# Altium PCB Lancelot.PcbDoc (part 7 of 14) (continued)
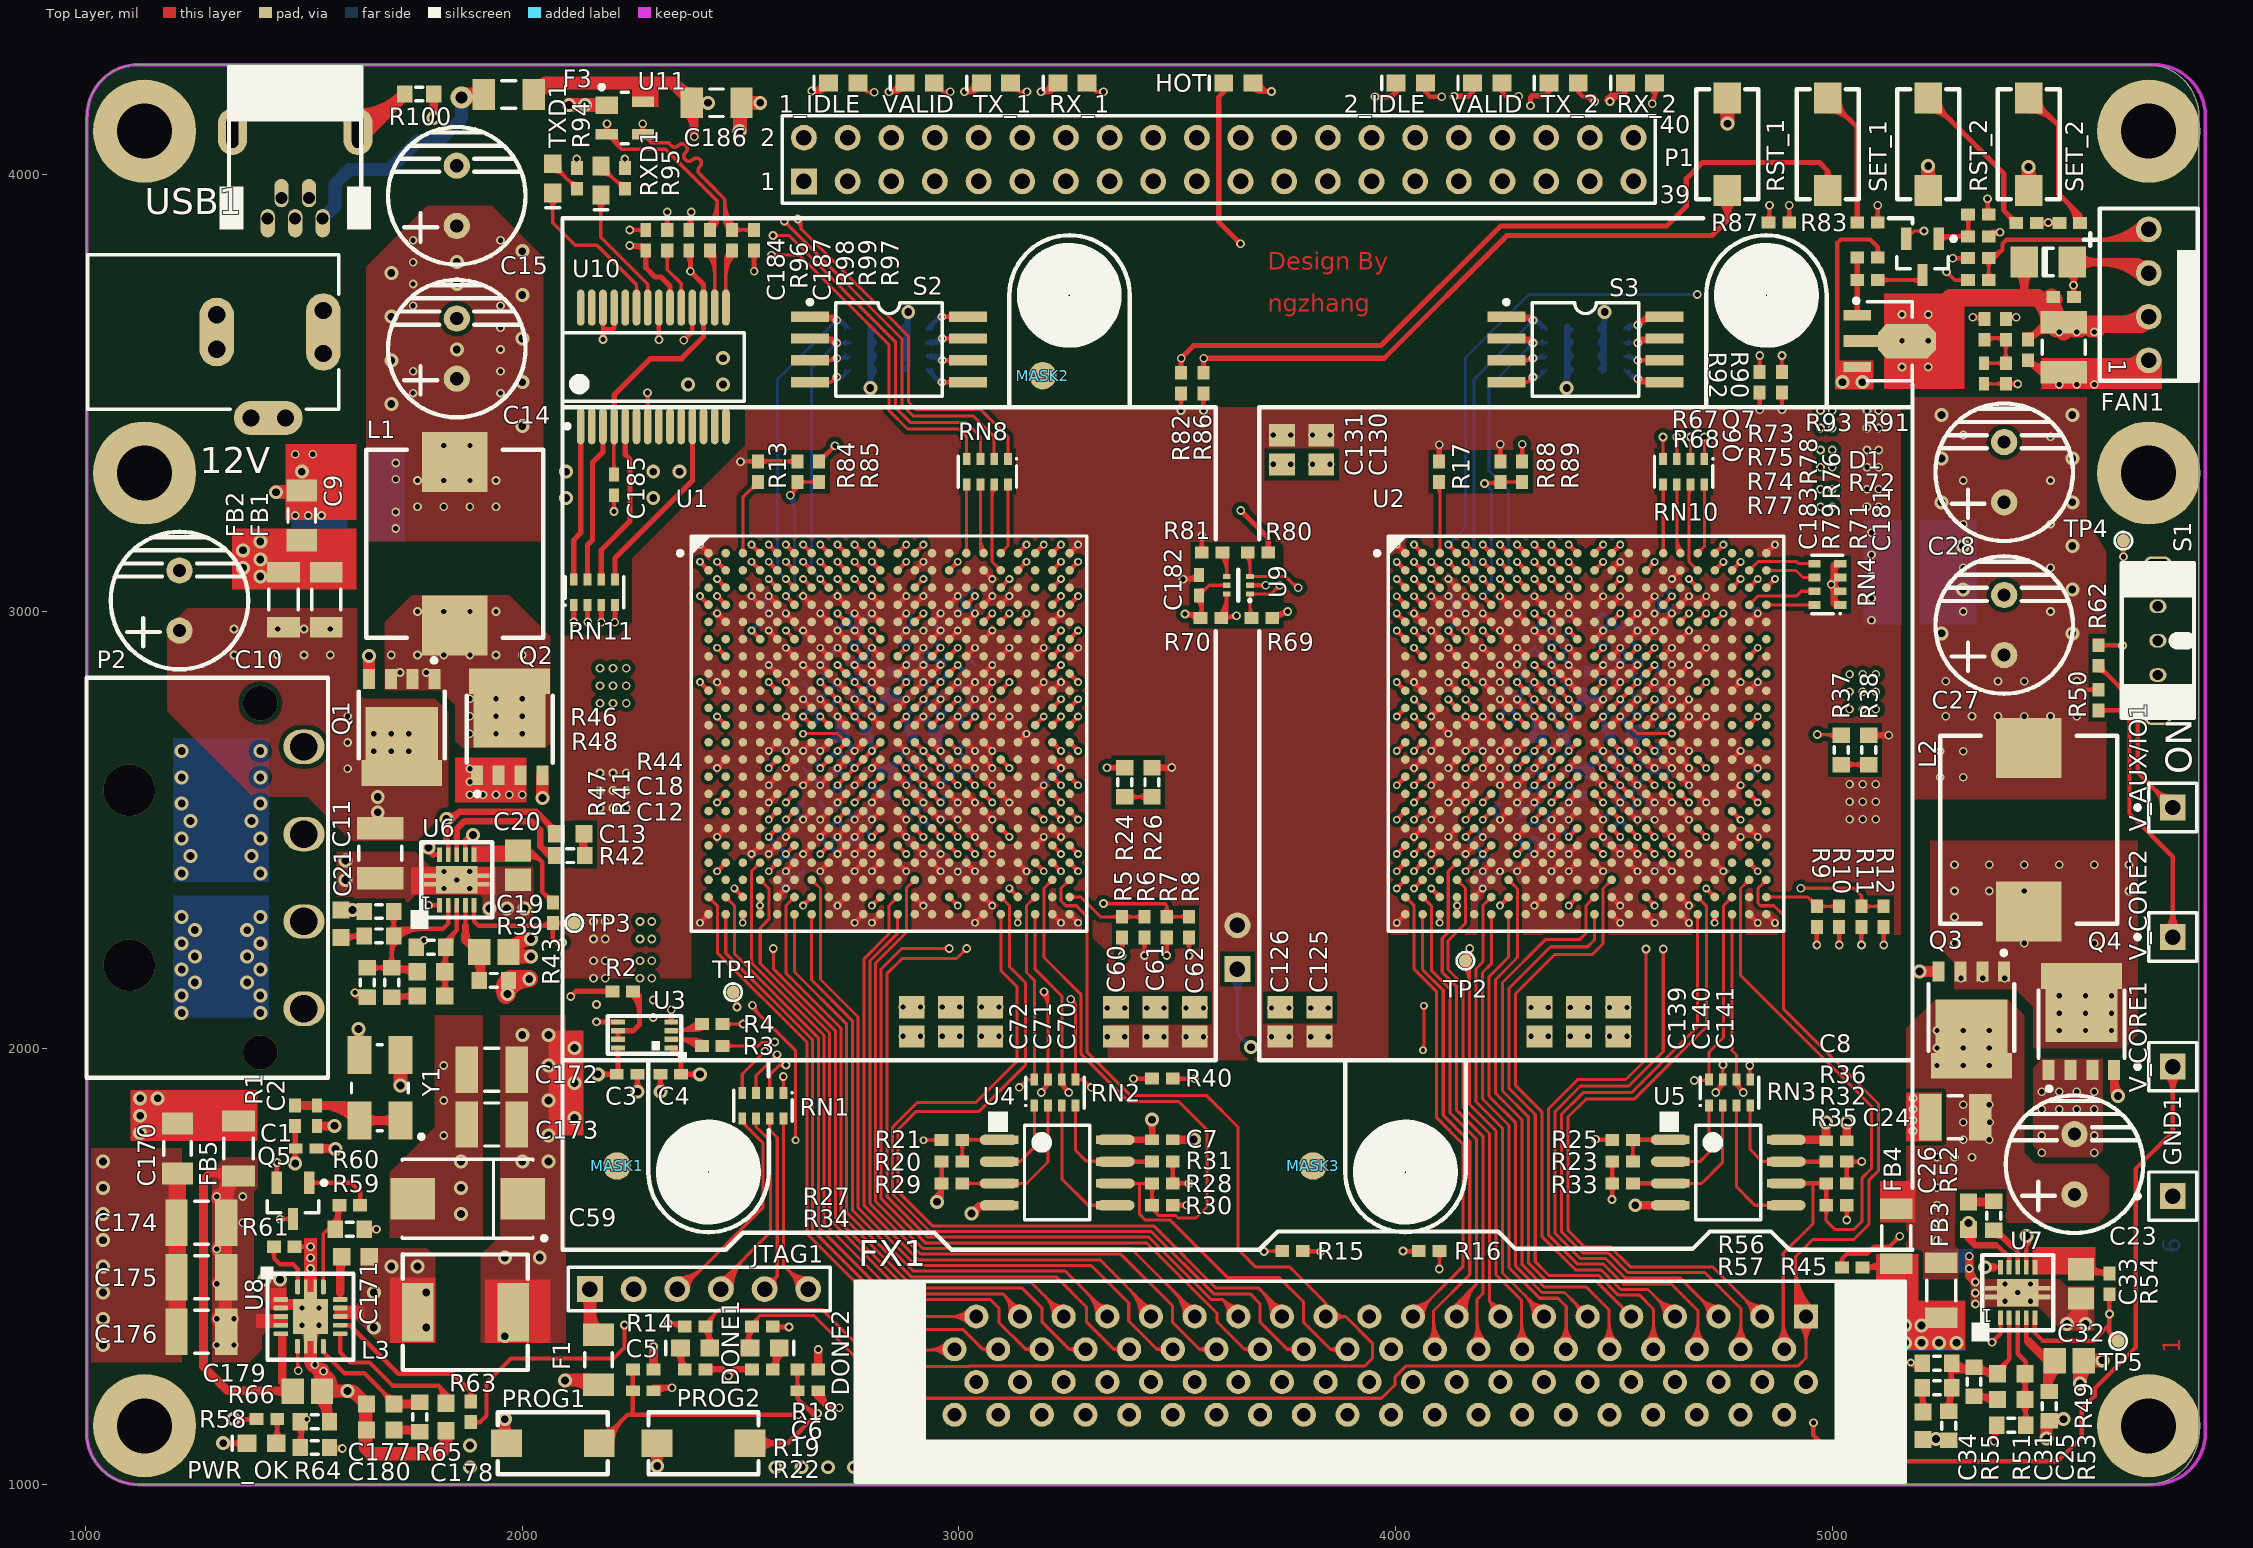
[diagram p0: Top Layer view]
## Nets (pads, with @x,y where several pads share a name; then routed paths per layer and width w, separated by ;. In a path a pad name is that pad's centre, name@x,y a point inside that pad or via, vN(x,y) a via of type N, cw(c..) or ccw(c..) an arc to the next point about the centre after c; other vN are vias at no path point) (continued)
v1@4514.73,2448.34 ; v1@4510.73,2562.45 ccw(c4501.08,2562.45) 4507.9,2569.28 ccw(c4514.73,2576.1) v1@4514.73,2566.45 ; v1@4510.73,2641.19 ccw(c4501.08,2641.19) 4507.9,2648.02 ccw(c4514.73,2654.84) v1@4514.73,2645.19 ; v1@4510.73,2759.3 cw(c4501.08,2759.3) 4507.9,2752.47 cw(c4514.73,2745.64) v1@4514.73,2755.3 ; v1@4510.73,2838.04 cw(c4501.08,2838.04) 4507.9,2831.21 cw(c4514.73,2824.38) v1@4514.73,2834.04 ; v1@4510.73,2877.41 cw(c4501.08,2877.41) 4507.9,2870.58 cw(c4514.73,2863.75) v1@4514.73,2873.41 ; v1@4510.73,2916.78 cw(c4501.08,2916.78) 4507.9,2909.95 cw(c4514.73,2903.12) v1@4514.73,2912.78 ; v1@4510.73,3034.89 cw(c4501.08,3034.89) 4507.9,3028.06 cw(c4514.73,3021.23) v1@4514.73,3030.89 ; v1@4510.73,3113.63 cw(c4501.08,3113.63) 4507.9,3106.8 cw(c4514.73,3099.97) v1@4514.73,3109.63 ; U2.W14@4534.42,2419.81 cw(c4534.42,2408.12) 4542.68,2416.39 cw(c4550.95,2424.65) U2.W14@4539.26,2424.65 ; U2.W14@4534.42,2424.65 v1(4554.1,2404.97) ; U2.V14@4534.42,2459.18 cw(c4534.42,2447.49) 4542.68,2455.76 cw(c4550.95,2464.02) U2.V14@4539.26,2464.02 ; U2.V14@4534.42,2464.02 v1(4554.1,2444.34) ; U2.T14@4534.42,2537.92 cw(c4534.42,2526.23) 4542.68,2534.5 cw(c4550.95,2542.76) U2.T14@4539.26,2542.76 ; U2.T14@4534.42,2542.76 v1(4554.1,2523.08) ; U2.P14@4534.42,2616.66 cw(c4534.42,2604.97) 4542.68,2613.24 cw(c4550.95,2621.5) U2.P14@4539.26,2621.5 ; U2.P14@4534.42,2621.5 v1(4554.1,2601.82) ; U2.M14@4534.42,2695.4 cw(c4534.42,2683.71) 4542.68,2691.98 cw(c4550.95,2700.24) U2.M14@4539.26,2700.24 ; U2.M14@4534.42,2700.24 v1(4554.1,2680.56) ; U2.K14@4534.42,2778.98 v1(4554.1,2798.67) ; U2.K14@4534.42,2783.83 ccw(c4534.42,2795.52) 4542.68,2787.25 ccw(c4550.95,2778.98) U2.K14@4539.26,2778.98 ; U2.H14@4534.42,2857.72 v1(4554.1,2877.41) ; U2.H14@4534.42,2862.57 ccw(c4534.42,2874.26) 4542.68,2865.99 ccw(c4550.95,2857.72) U2.H14@4539.26,2857.72 ; U2.F14@4534.42,2936.46 v1(4554.1,2956.15) ; U2.F14@4534.42,2941.31 ccw(c4534.42,2953) 4542.68,2944.73 ccw(c4550.95,2936.46) U2.F14@4539.26,2936.46 ; U2.E14@4534.42,2975.83 v1(4554.1,2995.52) ; U2.E14@4534.42,2980.68 ccw(c4534.42,2992.37) 4542.68,2984.1 ccw(c4550.95,2975.83) U2.E14@4539.26,2975.83 ; v1@4550.1,2404.97 ccw(c4540.45,2404.97) 4547.27,2411.8 ccw(c4554.1,2418.62) v1@4554.1,2408.97 ; v1@4550.1,2444.34 ccw(c4540.45,2444.34) 4547.27,2451.17 ccw(c4554.1,2457.99) v1@4554.1,2448.34 ; v1@4550.1,2523.08 ccw(c4540.45,2523.08) 4547.27,2529.91 ccw(c4554.1,2536.73) v1@4554.1,2527.08 ; v1@4550.1,2601.82 ccw(c4540.45,2601.82) 4547.27,2608.65 ccw(c4554.1,2615.47) v1@4554.1,2605.82 ; v1@4550.1,2680.56 ccw(c4540.45,2680.56) 4547.27,2687.39 ccw(c4554.1,2694.22) v1@4554.1,2684.56 ; v1@4550.1,2798.67 cw(c4540.45,2798.67) 4547.27,2791.84 cw(c4554.1,2785.01) v1@4554.1,2794.67 ; v1@4550.1,2877.41 cw(c4540.45,2877.41) 4547.27,2870.58 cw(c4554.1,2863.75) v1@4554.1,2873.41 ; v1@4550.1,2956.15 cw(c4540.45,2956.15) 4547.27,2949.32 cw(c4554.1,2942.49) v1@4554.1,2952.15 ; v1@4550.1,2995.52 cw(c4540.45,2995.52) 4547.27,2988.69 cw(c4554.1,2981.86) v1@4554.1,2991.52 ; U2.AB15@4573.79,2301.7 cw(c4573.79,2290.01) 4582.05,2298.28 cw(c4590.32,2306.54) U2.AB15@4578.63,2306.54 ; U2.AB15@4573.79,2306.54 v1(4593.47,2286.86) ; U2.R15@4573.79,2577.29 cw(c4573.79,2565.6) 4582.05,2573.87 cw(c4590.32,2582.13) U2.R15@4578.63,2582.13 ; U2.R15@4573.79,2582.13 v1(4593.47,2562.45) ; U2.N15@4573.79,2656.03 cw(c4573.79,2644.34) 4582.05,2652.61 cw(c4590.32,2660.87) U2.N15@4578.63,2660.87 ; U2.N15@4573.79,2660.87 v1(4593.47,2641.19) ; U2.L15@4573.79,2739.61 v1(4593.47,2759.3) ; U2.L15@4573.79,2744.46 ccw(c4573.79,2756.15) 4582.05,2747.88 ccw(c4590.32,2739.61) U2.L15@4578.63,2739.61 ; U2.J15@4573.79,2818.35 v1(4593.47,2838.04) ; U2.J15@4573.79,2823.2 ccw(c4573.79,2834.89) 4582.05,2826.62 ccw(c4590.32,2818.35) U2.J15@4578.63,2818.35 ; U2.F15@4573.79,2936.46 v1(4593.47,2956.15) ; U2.F15@4573.79,2941.31 ccw(c4573.79,2953) 4582.05,2944.73 ccw(c4590.32,2936.46) U2.F15@4578.63,2936.46 ; U2.D15@4573.79,3015.2 v1(4593.47,3034.89) ; U2.D15@4573.79,3020.05 ccw(c4573.79,3031.74) 4582.05,3023.47 ccw(c4590.32,3015.2) U2.D15@4578.63,3015.2 ; v1@4589.47,2286.86 ccw(c4579.82,2286.86) 4586.64,2293.69 ccw(c4593.47,2300.51) v1@4593.47,2290.86 ; v1@4589.47,2562.45 ccw(c4579.82,2562.45) 4586.64,2569.28 ccw(c4593.47,2576.1) v1@4593.47,2566.45 ; v1@4589.47,2641.19 ccw(c4579.82,2641.19) 4586.64,2648.02 ccw(c4593.47,2654.84) v1@4593.47,2645.19 ; v1@4589.47,2759.3 cw(c4579.82,2759.3) 4586.64,2752.47 cw(c4593.47,2745.64) v1@4593.47,2755.3 ; v1@4589.47,2838.04 cw(c4579.82,2838.04) 4586.64,2831.21 cw(c4593.47,2824.38) v1@4593.47,2834.04 ; v1@4589.47,2956.15 cw(c4579.82,2956.15) 4586.64,2949.32 cw(c4593.47,2942.49) v1@4593.47,2952.15 ; v1@4589.47,3034.89 cw(c4579.82,3034.89) 4586.64,3028.06 cw(c4593.47,3021.23) v1@4593.47,3030.89 ; U2.W16@4613.16,2419.81 cw(c4613.16,2408.12) 4621.42,2416.39 cw(c4629.69,2424.65) U2.W16@4618,2424.65 ; U2.W16@4613.16,2424.65 v1(4632.84,2404.97) ; U2.U16@4613.16,2498.55 cw(c4613.16,2486.86) 4621.42,2495.13 cw(c4629.69,2503.39) U2.U16@4618,2503.39 ; U2.U16@4613.16,2503.39 v1(4632.84,2483.71) ; U2.R16@4613.16,2577.29 cw(c4613.16,2565.6) 4621.42,2573.87 cw(c4629.69,2582.13) U2.R16@4618,2582.13 ; U2.R16@4613.16,2582.13 v1(4632.84,2562.45) ; U2.N16@4613.16,2656.03 cw(c4613.16,2644.34) 4621.42,2652.61 cw(c4629.69,2660.87) U2.N16@4618,2660.87 ; U2.N16@4613.16,2660.87 v1(4632.84,2641.19) ; U2.M16@4613.16,2695.4 cw(c4613.16,2682.27) 4622.45,2691.55 ; U2.K16@4613.16,2778.98 v1(4632.84,2798.67) ; U2.K16@4613.16,2783.83 ccw(c4613.16,2795.52) 4621.42,2787.25 ccw(c4629.69,2778.98) U2.K16@4618,2778.98 ; U2.J16@4613.16,2818.35 v1(4632.84,2838.04) ; U2.J16@4613.16,2823.2 ccw(c4613.16,2834.89) 4621.42,2826.62 ccw(c4629.69,2818.35) U2.J16@4618,2818.35 ; U2.G16@4613.16,2897.09 v1(4632.84,2916.78) ; U2.G16@4613.16,2901.94 ccw(c4613.16,2913.63) 4621.42,2905.36 ccw(c4629.69,2897.09) U2.G16@4618,2897.09 ; U2.E16@4613.16,2975.83 v1(4632.84,2995.52) ; U2.E16@4613.16,2980.68 ccw(c4613.16,2992.37) 4621.42,2984.1 ccw(c4629.69,2975.83) U2.E16@4618,2975.83 ; U2.M16@4614,2700 v1(4633.69,2680.31) ; U2.M16@4618,2700.24 ccw(c4628.25,2700.24) 4621,2693 ; v1@4628.84,2404.97 ccw(c4619.19,2404.97) 4626.02,2411.8 ccw(c4632.84,2418.62) v1@4632.84,2408.97 ; v1@4628.84,2483.71 ccw(c4619.19,2483.71) 4626.02,2490.54 ccw(c4632.84,2497.36) v1@4632.84,2487.71 ; v1@4628.84,2562.45 ccw(c4619.19,2562.45) 4626.02,2569.28 ccw(c4632.84,2576.1) v1@4632.84,2566.45 ; v1@4628.84,2641.19 ccw(c4619.19,2641.19) 4626.02,2648.02 ccw(c4632.84,2654.84) v1@4632.84,2645.19 ; v1@4628.84,2798.67 cw(c4619.19,2798.67) 4626.02,2791.84 cw(c4632.84,2785.01) v1@4632.84,2794.67 ; v1@4628.84,2838.04 cw(c4619.19,2838.04) 4626.02,2831.21 cw(c4632.84,2824.38) v1@4632.84,2834.04 ; v1@4628.84,2916.78 cw(c4619.19,2916.78) 4626.02,2909.95 cw(c4632.84,2903.12) v1@4632.84,2912.78 ; v1@4628.84,2995.52 cw(c4619.19,2995.52) 4626.02,2988.69 cw(c4632.84,2981.86) v1@4632.84,2991.52 ; v1@4629.69,2680.31 ccw(c4620.03,2680.31) 4626.86,2687.14 ccw(c4633.69,2693.97) v1@4633.69,2684.31 ; v1(4632.84,3074.26) U2.B17@4652.53,3093.94 ; v1@4632.84,3078.26 ccw(c4632.84,3087.92) 4639.67,3081.09 ccw(c4646.5,3074.26) v1@4636.84,3074.26 ; U2.B17@4647.69,3093.94 cw(c4635.99,3093.94) 4644.26,3085.68 cw(c4652.53,3077.41) U2.B17@4652.53,3089.1 ; U2.AB17@4652.53,2301.7 cw(c4652.53,2290.01) 4660.79,2298.28 cw(c4669.06,2306.54) U2.AB17@4657.37,2306.54 ; U2.AB17@4652.53,2306.54 v1(4672.21,2286.86) ; U2.AA17@4652.53,2341.07 cw(c4652.53,2329.38) 4660.79,2337.65 cw(c4669.06,2345.91) U2.AA17@4657.37,2345.91 ; U2.AA17@4652.53,2345.91 v1(4672.21,2326.23) ; U2.V17@4652.53,2459.18 cw(c4652.53,2447.49) 4660.79,2455.76 cw(c4669.06,2464.02) U2.V17@4657.37,2464.02 ; U2.V17@4652.53,2464.02 v1(4672.21,2444.34) ; U2.T17@4652.53,2537.92 cw(c4652.53,2526.23) 4660.79,2534.5 cw(c4669.06,2542.76) U2.T17@4657.37,2542.76 ; U2.T17@4652.53,2542.76 v1(4672.21,2523.08) ; U2.P17@4652.53,2616.66 cw(c4652.53,2604.97) 4660.79,2613.24 cw(c4669.06,2621.5) U2.P17@4657.37,2621.5 ; U2.P17@4652.53,2621.5 v1(4672.21,2601.82) ; U2.N17@4652.53,2656.03 cw(c4652.53,2644.34) 4660.79,2652.61 cw(c4669.06,2660.87) U2.N17@4657.37,2660.87 ; U2.N17@4652.53,2660.87 v1(4672.21,2641.19) ; U2.M17@4652.53,2695.4 cw(c4652.53,2683.71) 4660.79,2691.98 cw(c4669.06,2700.24) U2.M17@4657.37,2700.24 ; U2.M17@4652.53,2700.24 v1(4672.21,2680.56) ; U2.L17@4652.53,2739.61 v1(4672.21,2759.3) ; U2.L17@4652.53,2744.46 ccw(c4652.53,2756.15) 4660.79,2747.88 ccw(c4669.06,2739.61) U2.L17@4657.37,2739.61 ; U2.K17@4652.53,2778.98 v1(4672.21,2798.67) ; U2.K17@4652.53,2783.83 ccw(c4652.53,2795.52) 4660.79,2787.25 ccw(c4669.06,2778.98) U2.K17@4657.37,2778.98 ; U2.H17@4652.53,2857.72 v1(4672.21,2877.41) ; U2.H17@4652.53,2862.57 ccw(c4652.53,2874.26) 4660.79,2865.99 ccw(c4669.06,2857.72) U2.H17@4657.37,2857.72 ; U2.F17@4652.53,2936.46 v1(4672.21,2956.15) ; U2.F17@4652.53,2941.31 ccw(c4652.53,2953) 4660.79,2944.73 ccw(c4669.06,2936.46) U2.F17@4657.37,2936.46 ; U2.D17@4652.53,3015.2 v1(4672.21,3034.89) ; U2.D17@4652.53,3020.05 ccw(c4652.53,3031.74) 4660.79,3023.47 ccw(c4669.06,3015.2) U2.D17@4657.37,3015.2 ; v1@4668.21,2286.86 ccw(c4658.56,2286.86) 4665.39,2293.69 ccw(c4672.21,2300.51) v1@4672.21,2290.86 ; v1@4668.21,2326.23 ccw(c4658.56,2326.23) 4665.39,2333.06 ccw(c4672.21,2339.88) v1@4672.21,2330.23 ; v1@4668.21,2444.34 ccw(c4658.56,2444.34) 4665.39,2451.17 ccw(c4672.21,2457.99) v1@4672.21,2448.34 ; v1@4668.21,2523.08 ccw(c4658.56,2523.08) 4665.39,2529.91 ccw(c4672.21,2536.73) v1@4672.21,2527.08 ; v1@4668.21,2601.82 ccw(c4658.56,2601.82) 4665.39,2608.65 ccw(c4672.21,2615.47) v1@4672.21,2605.82 ; v1@4668.21,2641.19 ccw(c4658.56,2641.19) 4665.39,2648.02 ccw(c4672.21,2654.84) v1@4672.21,2645.19 ; v1@4668.21,2680.56 ccw(c4658.56,2680.56) 4665.39,2687.39 ccw(c4672.21,2694.22) v1@4672.21,2684.56 ; v1@4668.21,2759.3 cw(c4658.56,2759.3) 4665.39,2752.47 cw(c4672.21,2745.64) v1@4672.21,2755.3 ; v1@4668.21,2798.67 cw(c4658.56,2798.67) 4665.39,2791.84 cw(c4672.21,2785.01) v1@4672.21,2794.67 ; v1@4668.21,2877.41 cw(c4658.56,2877.41) 4665.39,2870.58 cw(c4672.21,2863.75) v1@4672.21,2873.41 ; v1@4668.21,2956.15 cw(c4658.56,2956.15) 4665.39,2949.32 cw(c4672.21,2942.49) v1@4672.21,2952.15 ; v1@4668.21,3034.89 cw(c4658.56,3034.89) 4665.39,3028.06 cw(c4672.21,3021.23) v1@4672.21,3030.89 ; U2.R18@4691.9,2577.29 cw(c4691.9,2565.6) 4700.16,2573.87 cw(c4708.43,2582.13) U2.R18@4696.74,2582.13 ; U2.R18@4691.9,2582.13 v1(4711.58,2562.45) ; U2.L18@4691.9,2739.61 v1(4711.58,2759.3) ; U2.L18@4691.9,2744.46 ccw(c4691.9,2756.15) 4700.16,2747.88 ccw(c4708.43,2739.61) U2.L18@4696.74,2739.61 ; U2.G18@4691.9,2897.09 v1(4711.58,2916.78) ; U2.G18@4691.9,2901.94 ccw(c4691.9,2913.63) 4700.16,2905.36 ccw(c4708.43,2897.09) U2.G18@4696.74,2897.09 ; U2.D18@4691.9,3015.2 v1(4711.58,3034.89) ; U2.D18@4691.9,3020.05 ccw(c4691.9,3031.74) 4700.16,3023.47 ccw(c4708.43,3015.2) U2.D18@4696.74,3015.2 ; v1@4707.58,2562.45 ccw(c4697.93,2562.45) 4704.76,2569.28 ccw(c4711.58,2576.1) v1@4711.58,2566.45 ; v1@4707.58,2759.3 cw(c4697.93,2759.3) 4704.76,2752.47 cw(c4711.58,2745.64) v1@4711.58,2755.3 ; v1@4707.58,2916.78 cw(c4697.93,2916.78) 4704.76,2909.95 cw(c4711.58,2903.12) v1@4711.58,2912.78 ; v1@4707.58,3034.89 cw(c4697.93,3034.89) 4704.76,3028.06 cw(c4711.58,3021.23) v1@4711.58,3030.89 ; U2.W19@4731.27,2419.81 cw(c4731.27,2408.12) 4739.53,2416.39 cw(c4747.8,2424.65) U2.W19@4736.11,2424.65 ; U2.W19@4731.27,2424.65 v1(4750.95,2404.97) ; v1@4746.95,2404.97 ccw(c4737.3,2404.97) 4744.13,2411.8 ccw(c4750.95,2418.62) v1@4750.95,2408.97 ; U2.V20@4770.64,2464.02 v1(4790.32,2483.71) ; U2.V20@4770.64,2468.87 ccw(c4770.64,2480.56) 4778.9,2472.29 ccw(c4787.17,2464.02) U2.V20@4775.48,2464.02 ; U2.R20@4770.64,2582.13 v1(4790.32,2601.82) ; U2.R20@4770.64,2586.98 ccw(c4770.64,2598.67) 4778.9,2590.4 ccw(c4787.17,2582.13) U2.R20@4775.48,2582.13 ; U2.N20@4770.64,2660.87 v1(4790.32,2680.56) ; U2.N20@4770.64,2665.72 ccw(c4770.64,2677.41) 4778.9,2669.14 ccw(c4787.17,2660.87) U2.N20@4775.48,2660.87 ; U2.J20@4770.64,2818.35 v1(4790.32,2838.04) ; U2.J20@4770.64,2823.2 ccw(c4770.64,2834.89) 4778.9,2826.62 ccw(c4787.17,2818.35) U2.J20@4775.48,2818.35 ; v1@4786.32,2483.71 cw(c4776.67,2483.71) 4783.5,2476.88 cw(c4790.32,2470.05) v1@4790.32,2479.71 ; v1@4786.32,2601.82 cw(c4776.67,2601.82) 4783.5,2594.99 cw(c4790.32,2588.16) v1@4790.32,2597.82 ; v1@4786.32,2680.56 cw(c4776.67,2680.56) 4783.5,2673.73 cw(c4790.32,2666.9) v1@4790.32,2676.56 ; v1@4786.32,2838.04 cw(c4776.67,2838.04) 4783.5,2831.21 cw(c4790.32,2824.38) v1@4790.32,2834.04 ; U2.AB21@4810.01,2301.7 cw(c4810.01,2290.01) 4818.27,2298.28 cw(c4826.54,2306.54) U2.AB21@4814.85,2306.54 ; U2.AB21@4810.01,2306.54 v1(4829.69,2286.86) ; U2.U21@4810.01,2498.55 cw(c4810.01,2486.86) 4818.27,2495.13 cw(c4826.54,2503.39) U2.U21@4814.85,2503.39 ; U2.U21@4810.01,2503.39 v1(4829.69,2483.71) ; U2.N21@4810.01,2656.03 cw(c4810.01,2644.34) 4818.27,2652.61 cw(c4826.54,2660.87) U2.N21@4814.85,2660.87 ; U2.N21@4810.01,2660.87 v1(4829.69,2641.19) ; U2.J21@4810.01,2818.35 v1(4829.69,2838.04) ; U2.J21@4810.01,2823.2 ccw(c4810.01,2834.89) 4818.27,2826.62 ccw(c4826.54,2818.35) U2.J21@4814.85,2818.35 ; U2.E21@4810.01,2975.83 v1(4829.69,2995.52) ; U2.E21@4810.01,2980.68 ccw(c4810.01,2992.37) 4818.27,2984.1 ccw(c4826.54,2975.83) U2.E21@4814.85,2975.83 ; v1@4825.69,2286.86 ccw(c4816.04,2286.86) 4822.87,2293.69 ccw(c4829.69,2300.51) v1@4829.69,2290.86 ; v1@4825.69,2483.71 ccw(c4816.04,2483.71) 4822.87,2490.54 ccw(c4829.69,2497.36) v1@4829.69,2487.71 ; v1@4825.69,2641.19 ccw(c4816.04,2641.19) 4822.87,2648.02 ccw(c4829.69,2654.84) v1@4829.69,2645.19 ; v1@4825.69,2838.04 cw(c4816.04,2838.04) 4822.87,2831.21 cw(c4829.69,2824.38) v1@4829.69,2834.04 ; v1@4825.69,2995.52 cw(c4816.04,2995.52) 4822.87,2988.69 cw(c4829.69,2981.86) v1@4829.69,2991.52 ; R92.2@4827.79,3493.2 cw(c4812.8,3478.21) 4834,3478.21 cw(c4855.2,3478.21) R92.2@4840.21,3493.2 ; v2@4830.46,3465.54 ccw(c4821.93,3474.07) 4834,3474.07 ccw(c4846.07,3474.07) v2@4837.54,3465.54 ; v2(4834,3462) R92.2@4834,3501.38 ; U2.AB22@4849.38,2301.7 cw(c4849.38,2290.01) 4857.64,2298.28 cw(c4865.91,2306.54) U2.AB22@4854.22,2306.54 ; U2.AB22@4849.38,2306.54 v1(4869.06,2286.86) ; U2.C22@4849.38,3054.57 v1(4869.06,3074.26) ; U2.C22@4849.38,3059.42 ccw(c4849.38,3071.11) 4857.64,3062.84 ccw(c4865.91,3054.57) U2.C22@4854.22,3054.57 ; U2.A22@4849.38,3133.32 v1(4869.06,3153) ; U2.A22@4849.38,3138.16 ccw(c4849.38,3149.85) 4857.64,3141.58 ccw(c4865.91,3133.32) U2.A22@4854.22,3133.32 ; v1@4865.06,2286.86 ccw(c4855.41,2286.86) 4862.24,2293.69 ccw(c4869.06,2300.51) v1@4869.06,2290.86 ; v1@4865.06,3074.26 cw(c4855.41,3074.26) 4862.24,3067.43 cw(c4869.06,3060.6) v1@4869.06,3070.26 ; v1@4865.06,3153 cw(c4855.41,3153) 4862.24,3146.17 cw(c4869.06,3139.34) v1@4869.06,3149 ; R90.2@4878.79,3493.2 cw(c4863.8,3478.21) 4885,3478.21 cw(c4906.2,3478.21) R90.2@4891.21,3493.2 ; v2@4881.46,3465.54 ccw(c4872.93,3474.07) 4885,3474.07 ccw(c4897.07,3474.07) v2@4888.54,3465.54 ; v2(4885,3462) R90.2@4885,3501.38 ; R10.1@5009.79,2269.2 cw(c4994.8,2254.21) 5016,2254.21 cw(c5037.2,2254.21) R10.1@5022.21,2269.2 ; v2@5012.46,2239.54 ccw(c5003.93,2248.07) 5016,2248.07 ccw(c5028.07,2248.07) v2@5019.54,2239.54 ; v2(5016,2236) R10.1@5016,2277.38 ; R35.2@5027.41,1633.79 cw(c5012.43,1618.8) 5033.62,1618.8 cw(c5054.82,1618.8) R35.2@5039.83,1633.79 ; v2@5030.09,1609.54 ccw(c5021.55,1618.07) 5033.62,1618.07 ccw(c5045.69,1618.07) v2@5037.16,1609.54 ; v2(5033.62,1606) R35.2@5033.62,1640 ; R12.1@5111.79,2269.2 cw(c5096.8,2254.21) 5118,2254.21 cw(c5139.2,2254.21) R12.1@5124.21,2269.2 ; v2@5114.46,2239.54 ccw(c5105.93,2248.07) 5118,2248.07 ccw(c5130.07,2248.07) v2@5121.54,2239.54 ; v2(5118,2236) R12.1@5118,2277.38 ; v1@5180,1276 cw(c5180,1266.34) 5186.83,1273.17 cw(c5193.66,1280) v1@5184,1280 ; v1(5180,1280) R56.1@5195,1265 ; v2@5366.94,1103.06 ccw(c5358.4,1111.6) 5370.47,1111.6 ccw(c5382.54,1111.6) v2@5374.01,1103.06 ; v2@5367.97,1103.86 ccw(c5361.7,1114.71) 5373.81,1111.47 ; v2@5370.47,1099 cw(c5399.82,1099) R53.1@5383.57,1123.44 ; v2(5370.47,1099.53) R53.1@5370.47,1132 ; 5373.64,1110.83 ccw(c5384.85,1107.83) v2@5374.8,1102.03
  Top Layer w12: v2@2172.83,2062.83 ccw(c2180.8,2070.8) 2180.8,2059.53 ; v2@2174,2059 2174.53,2059.53 U3.5@2218.98,2059.53 ; v3@2256.93,1907.07 ccw(c2240.77,1923.23) 2263.62,1923.23 ; C3.2@2259.51,1935.89 cw(c2249.59,1925.97) 2263.62,1925.97 cw(c2277.65,1925.97) C3.2@2267.73,1935.89 ; 2263.62,1925.05 ccw(c2289.05,1925.05) v3@2271.07,1907.07 ; C3.2@2263.62,1940 2263.62,1900.38 v3(2264,1900) ; v3@2309.93,1907.07 ccw(c2294.36,1922.64) 2316.38,1922.64 ; C4.1@2312.27,1935.89 cw(c2302.35,1925.97) 2316.38,1925.97 cw(c2330.41,1925.97) C4.1@2320.49,1935.89 ; 2316.38,1925.64 ccw(c2342.64,1925.64) v3@2324.07,1907.07 ; C4.1@2316.38,1940 2316.38,1900.62 v3(2317,1900) ; U3.4@2341,2059.55 v2(2341,2088) ; v1@2505.35,2287.42 U1.AB3@2505.35,2306.61 ; v1@2544.72,2326.79 U1.AA4@2544.72,2345.98 ; v2(2663,4192) v2@2664,4191 ; v2@2665.83,4194.83 ccw(c2675.07,4204.07) 2675.07,4191 ; 2677.06,4191 ccw(c2677.06,4211.9) 1_IDLE.2@2697.89,4210.14 ; 1_IDLE.2@2685.93,4211.15 cw(c2664,4213.01) v2@2664,4191 ; 1_IDLE.2@2701.54,4210 2682.54,4191 v2@2664,4191 ; 2852.31,4190 ccw(c2852.31,4210.57) VALID.2@2872.88,4210.04 ; VALID.2@2860.89,4210.35 cw(c2840,4210.89) v2(2840,4190) 2856.54,4190 ; VALID.2@2861.26,4206.79 cw(c2843.93,4202.61) 2856.54,4190 ; VALID.2@2873.58,4196.35 ccw(c2872,4174.53) 2856.54,4190 ; VALID.2@2876.54,4210 2856.54,4190 ; 3026.03,4190 ccw(c3026.03,4211.93) TX_1.2@3047.89,4210.14 ; TX_1.2@3035.93,4211.12 cw(c3013,4213) v2(3013,4190) 3031.54,4190 ; TX_1.2@3036.26,4206.79 cw(c3018.93,4202.61) 3031.54,4190 ; TX_1.2@3048.58,4196.35 ccw(c3047,4174.53) 3031.54,4190 ; TX_1.2@3051.54,4210 3031.54,4190 ; v1@3135.28,2287.42 U1.AB19@3135.28,2306.61 ; 3201.03,4190 ccw(c3201.03,4211.93) RX_1.2@3222.89,4210.14 ; RX_1.2@3210.93,4211.12 cw(c3188,4213) v2(3188,4190) 3206.54,4190 ; RX_1.2@3211.26,4206.79 cw(c3193.93,4202.61) 3206.54,4190 ; RX_1.2@3223.58,4196.35 ccw(c3222,4174.53) 3206.54,4190 ; RX_1.2@3226.54,4210 3206.54,4190 ; v2(3953,4179) 3990.54,4179 4001.54,4190 ; 2_IDLE.2@3996.58,4197.24 cw(c3993.76,4190) 4001.54,4190 ; 2_IDLE.2@4001.54,4210 4001.54,4190 ; 2_IDLE.2@4006.49,4197.24 ccw(c4009.31,4190) 4001.54,4190 ; R17.1@4094.5,3351.09 ccw(c4081.22,3364.37) 4100,3364.37 ccw(c4118.78,3364.37) R17.1@4105.5,3351.09 ; R17.1@4100,3343.62 v2(4100,3382) ; v1(4101,2287) 4101.35,2287.35 U2.AB3@4101.35,2306.54 ; v2(4134,4180) 4166.54,4180 4176.54,4190 ; U2.AB4@4138,2309.26 ccw(c4130.76,2316.5) 4141,2316.5 ; U2.AB4@4140.72,2306.54 4141,2306.83 v1(4141,2326) ; VALID.2@4171.58,4197.24 cw(c4168.76,4190) 4176.54,4190 ; VALID.2@4176.54,4210 4176.54,4190 ; VALID.2@4181.49,4197.24 ccw(c4184.31,4190) 4176.54,4190 ; v2(4309,4158) 4309,4177 4313,4181 4342.54,4181 4351.54,4190 ; TX_2.2@4346.58,4197.24 cw(c4343.76,4190) 4351.54,4190 ; TX_2.2@4351.54,4210 4351.54,4190 ; TX_2.2@4356.49,4197.24 ccw(c4359.31,4190) 4351.54,4190 ; v2@4483.67,4171.21 cw(c4500.18,4163.98) 4500.18,4182 ; v2(4491,4168) 4491,4179 4494,4182 ; v2@4493.89,4170.77 cw(c4499.67,4176.33) 4494,4182 ; v2@4494.66,4166.4 cw(c4518.53,4155.94) 4518.53,4182 ; RX_2.2@4521.58,4197.24 cw(c4518.76,4190) 4526.54,4190 ; RX_2.2@4526.54,4210 4526.54,4190 ; RX_2.2@4531.49,4197.24 ccw(c4534.31,4190) 4526.54,4190 ; v1@4731.27,2287.35 U2.AB19@4731.27,2306.54 ; R75.1@5358.62,3859 5367.83,3868.21 v2(5384.21,3868.21) ccw(c5384.21,3851.08) R75.1@5367.97,3856.53 ; R71.1@5448,3565.63 cw(c5448,3542.1) 5464.64,3558.74 ; R71.1@5450.66,3566.1 cw(c5457.08,3548.43) 5466.48,3564.71 ; R71.1@5455.78,3573.41 ccw(c5469.81,3573.41) R71.1@5459.89,3563.49 ; R71.1@5460.71,3562.67 ccw(c5485.92,3587.88) C181.1@5499.54,3554.93 ; R71.1@5461.55,3567.55 cw(c5468.04,3578.78) 5455.51,3575.42 ccw(c5483.38,3582.89) 5468.95,3557.91 ; 5473.42,3549.96 ccw(c5493.36,3569.89) C181.1@5504.13,3543.84 ; C181.1@5483.56,3542.69 ccw(c5471.53,3539.37) 5471.53,3551.85 ; C181.1@5486.65,3559.51 cw(c5471.53,3570.61) 5471.53,3551.85 ; C181.1@5494.96,3566.02 cw(c5478.49,3605.86) R71.1@5448,3575.38 5471.53,3551.85 ; C181.1@5530,3551.85 5471.53,3551.85 ; 4494,4182 4518.54,4182 ; 4518.54,4182 4526.54,4190
  Top Layer w15: C5.2@2300.62,1222 v2(2343,1222) ; C5.2@2307.61,1211.95 cw(c2331.87,1187.69) 2331.87,1222 ; R22.2@2426.03,1259.56 cw(c2436.75,1248.84) 2436.75,1264 cw(c2436.75,1279.16) R22.2@2426.03,1268.44 ; R22.2@2426.62,1264 2458,1264 2472,1250 v2(2472,1249) 2487,1264 R34.2@2519.38,1264 ; R34.2@2519.97,1259.56 ccw(c2509.25,1248.84) 2509.25,1264 ccw(c2509.25,1279.16) R34.2@2519.97,1268.44 ; C6.2@2670.87,1215.01 ccw(c2689.85,1214.99) 2676.43,1201.57 ; C6.2@2677.62,1215 2677.62,1200.38 2702,1176 ; C6.2@2685.87,1215 ccw(c2740.94,1214.94) 2702,1176 ; v2(2726.23,1176) 2702,1176 ; v3@3027.28,1622.28 cw(c3059.65,1589.92) U4.4@3059.65,1635.69 ; v3(3029,1621) 3026,1621 3045,1640 ; v3@3037.29,1619.11 cw(c3060.89,1613.74) 3048.78,1634.7 ; v3@3037.5,1621.22 cw(c3063.13,1621.87) 3045,1640 ; U4.4@3091.14,1640 3045,1640 ; R26.2@3442,2642.46 v2(3487.54,2642.46) ; R26.2@3451.19,2635.24 cw(c3468.63,2617.8) 3468.63,2642.46 cw(c3468.63,2667.13) R26.2@3451.19,2649.69 ; R38.2@5083.75,2716.34 v2(5129.66,2716.34) ; R38.2@5092.94,2709.11 cw(c5110.38,2691.67) 5110.38,2716.34 cw(c5110.38,2741) R38.2@5092.94,2723.56
  Top Layer w20: C1.1@1528.62,1770 1571,1770 v3(1572,1769) ; C2.1@1530,1821.38 1569.38,1821.38 v3(1570,1822) ; C179.1@1531.44,1198.12 cw(c1489.87,1148.6) R66.1@1554.53,1148.6 ; 1548.68,1170.44 ccw(c1576.97,1178.02) R66.1@1562.32,1152.65 ; R66.1@1554.53,1150 C179.1@1554.53,1206.87 ; 1554.53,1174.1 ccw(c1586.6,1174.1) R66.1@1563.92,1151.42 ; 1555.1,1770 cw(c1555.1,1752.1) v3@1567.76,1764.76 ; R47.2@1635.86,2113.7 ccw(c1618.53,2106.84) v2@1618.53,2125.47 ; R47.2@1638.97,2123.1 cw(c1630.25,2137.19) v2@1618.53,2125.47 ; R47.2@1639.54,2123.42 cw(c1630.74,2140.74) v2(1617,2127) v2@1618.53,2125.47 ; R47.2@1655,2125.47 v2@1618.53,2125.47 ; R100.1@1792.01,4177.58 cw(c1778.84,4164.4) 1797.46,4164.4 cw(c1816.09,4164.4) R100.1@1802.92,4177.58 ; v3(1797,4130) 1797.46,4130.46 R100.1@1797.46,4185 ; PROG1.1@1944.56,1110.2 ccw(c1907.3,1147.47) v3@1960,1147.47 ; v3@1954.8,1147 cw(c1940.32,1138.64) 1956.47,1134.31 ; PROG1.1@1960,1095 v3(1960,1150) ; v3@1960,1146.33 ccw(c2011.09,1146.33) PROG1.1@1974.96,1110.2 ; 1963.42,1133.54 cw(c1980.55,1138.13) v3@1965.2,1147 ; PROG2.1@2293.54,1079.76 cw(c2257.28,1043.3) v3@2308.7,1043.3 ; PROG2.1@2308.7,1095 v3@2308.7,1043.3 ; PROG2.1@2323.86,1079.76 ccw(c2360.12,1043.3) v3@2308.7,1043.3 ; C7.1@3489.62,1790 3537,1790 v3(3538,1791) ; 3521.1,1790 ccw(c3521.1,1807.9) v3@3533.76,1795.24 ; v3(4549,1640) U5.4@4625.9,1640 ; C8.1@5033.62,1788 v3(5033.65,1830) ; v2(5314,1495) ccw(c5355.04,1495) v2@5326.02,1465.98 ; v2@5314,1497.8 ccw(c5361.8,1497.8) v2(5328,1464) 5314,1478 v2(5314,1523)
  Top Layer w30: U8.15@1496.84,1360.39 ccw(c1489.24,1385) U8.15@1515,1385 ; U8.15@1497.07,1367.07 cw(c1453.79,1323.79) 1515,1323.79 cw(c1576.21,1323.79) U8.15@1532.93,1367.07 ; U8.15@1498.96,1368.96 cw(c1460.24,1330.24) 1515,1330.24 cw(c1569.76,1330.24) U8.15@1531.04,1368.96 ; 1515,1287.07 ccw(c1537.07,1287.07) v2@1521.46,1271.46 ; v2@1522,1271 cw(c1532.5,1285) 1515,1285 ; 1530.31,1265.62 ccw(c1549.58,1276.52) v2@1543.66,1255.18 ; C179.1@1532.22,1223.1 ccw(c1494.28,1244.28) v2(1525,1275) ; U8.15@1533.16,1360.39 cw(c1540.76,1385) U8.15@1515,1385 ; C179.1@1534.25,1225.69 ccw(c1508.28,1253.6) v2@1546.4,1253.6 ; C179.1@1548.95,1206.51 cw(c1569.45,1186.02) 1569.45,1215 ; 1553.07,1246.93 cw(c1530.3,1224.17) C179.1@1558.41,1208.48 ; v3@1600,1214 cw(c1600,1183.74) 1621.4,1205.14 ; C178.1@1825,1121.54 1825,1086 1810,1071 1654,1071 1641.54,1083.46 1641.54,1185 1611.54,1215 v3(1600,1215) 1546.4,1215 v2@1546.4,1253.6 ; 1515,1285 U8.15@1515,1385 ; 1515,1285 v2(1525,1275) ; v2(1525,1275) v2@1546.4,1253.6 ; 1536.38,1254.34 cw(c1550.8,1252.41) 1541.96,1263.97 ccw(c1550.8,1252.41) 1536.38,1254.34
  Top Layer w32: v3(1436,3273) 1436.15,3273.15 1495,3273.15 v3(1495,3320) ; 1452.5,3273.15 ccw(c1452.5,3309.74) C9.1@1478.38,3283.87 ; Y1.2@1713.09,1959.9 cw(c1693.35,1940.16) 1721.26,1940.16 cw(c1749.17,1940.16) Y1.2@1729.43,1959.9 ; v3(1721,1914) 1721.26,1914.26 Y1.2@1721.26,1983.82 ; C19.2@1968.46,2233.53 ccw(c1968.46,2275.69) 1998.28,2245.88 ; C19.2@1975.25,2222.84 ccw(c2006.26,2253.85) v3@2006.26,2210 ; C19.2@1977.44,2220.56 cw(c2020,2204.52) v3(2020,2250) ; C19.2@1989.96,2237.56 cw(c2020,2207.51) v3(2020,2250) ; v3(2020,2210) 1982.4,2210 1972.4,2220 2002.4,2250 v3(2020,2250) ; v3(2107,4160) v3(2144,4160) 2144.47,4159.53 U11.1@2193.66,4159.53 ; v3(2498,4100) 2498.15,4100.15 2498.15,4165 v3(2545,4165) ; 2498.15,4122.5 cw(c2534.74,4122.5) C186.1@2508.87,4148.38 ; v3(5538,1368) ccw(c5507.43,1422.6) 5570,1422.6 v3@5570,1368 ; v3@5567.4,1235.03 cw(c5621.5,1235.03) C32.1@5583.25,1273.28 ; v3(5568,1232) 5567.4,1232.6 5567.4,1285 v3(5619,1285) ; 5570,1392.14 ccw(c5604.14,1392.14) v3(5580,1368)
  Top Layer w40: C176.1@1209.88,1350 1210,1350.12 C170.1@1210,1716.85 ; C181.1@5530,3551.85 5701.85,3551.85 FAN1.1@5725,3575 ; 5646.11,3551.85 ccw(c5646.11,3653.89) FAN1.1@5718.26,3581.74